# KiCad board distribution.kicad_pcb (continued)
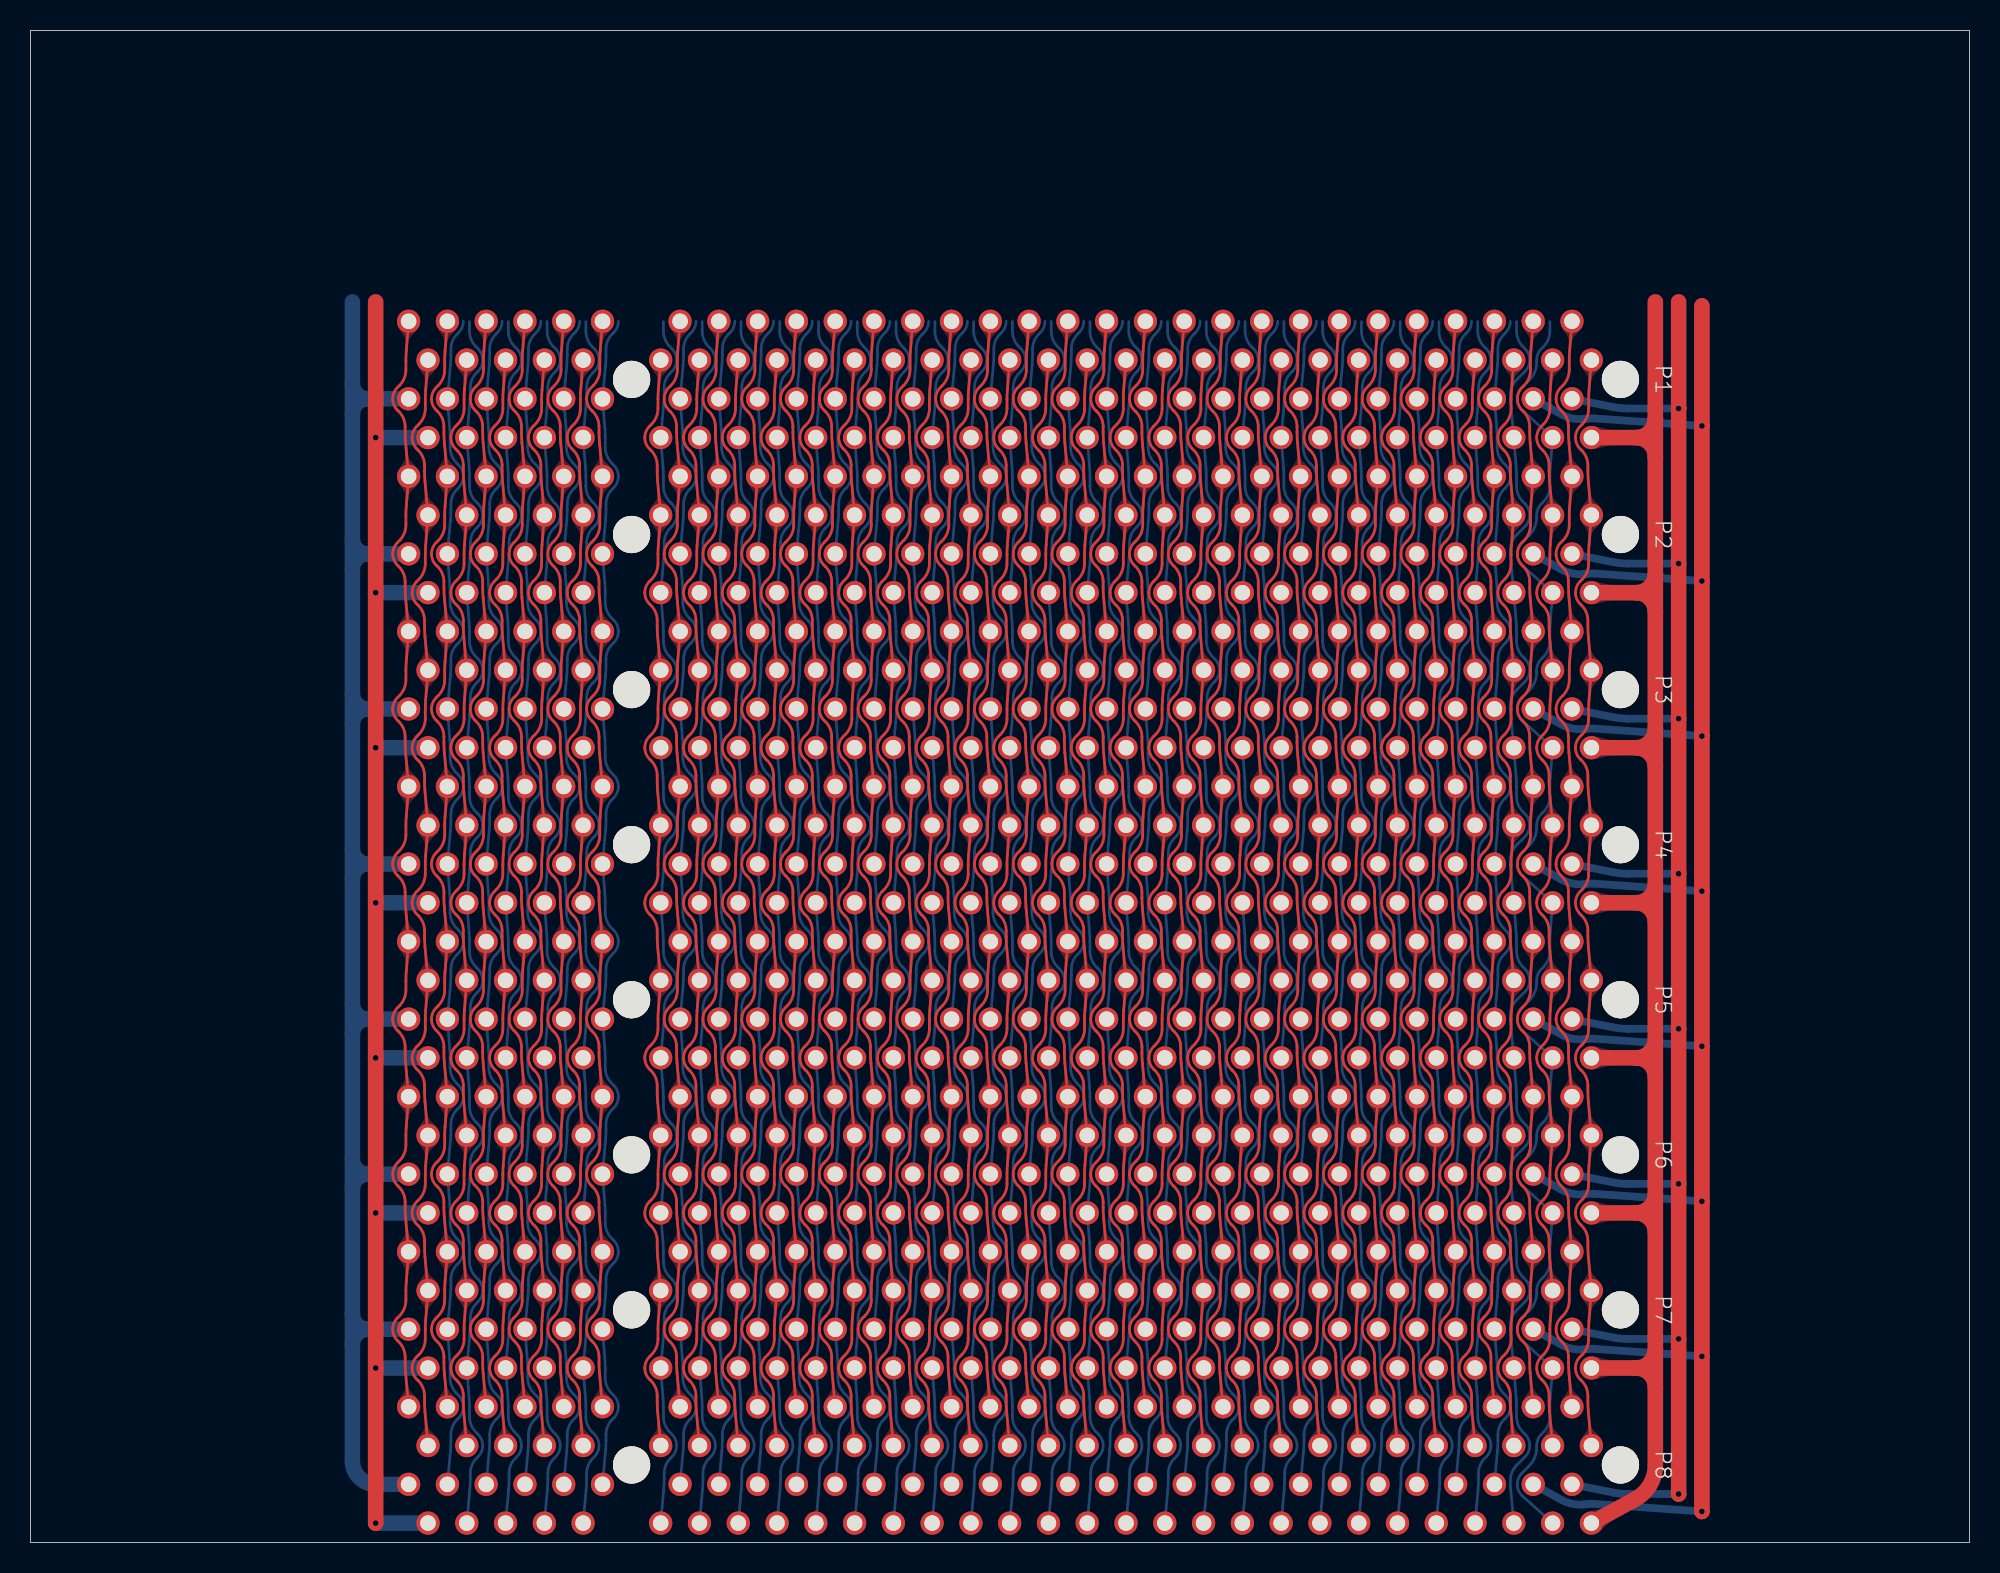
[diagram p0: board, top side]
## Routing (per net, layer and track width the routed paths; a pad name or vN(x,y) marks a point on that pad's centre or on a via; arc(x,y) is an arc through that point) (continued)
~{P1d}: length 82.7
  Bottom w0.178: 89.71,79.99 89.71,79.38 arc(89.83,78.81) 90.14,78.33 90.27,78.21 arc(90.5,77.87) 90.58,77.47 arc(90.5,77.07) 90.27,76.73 90.17,76.63 arc(89.87,76.18) 89.76,75.65 89.76,75.27 arc(89.76,74.93) 89.73,74.59 89.54,72.39 89.69,70.43 arc(89.71,70.13) 89.71,69.83 89.71,69.22 arc(89.83,68.65) 90.14,68.17 90.27,68.05 arc(90.5,67.71) 90.58,67.31 arc(90.5,66.91) 90.27,66.57 90.17,66.47 arc(89.87,66.02) 89.76,65.49 89.76,65.11 arc(89.76,64.77) 89.73,64.43 89.54,62.23 89.69,60.27 arc(89.71,59.97) 89.71,59.67 89.71,59.06 arc(89.83,58.49) 90.14,58.01 90.27,57.89 arc(90.5,57.55) 90.58,57.15 arc(90.5,56.75) 90.27,56.41 90.17,56.31 arc(89.87,55.86) 89.76,55.33 89.76,54.95 arc(89.76,54.61) 89.73,54.27 89.54,52.07 89.69,50.11 arc(89.71,49.81) 89.71,49.51 89.71,48.9 arc(89.83,48.33) 90.14,47.85 90.27,47.73 arc(90.5,47.39) 90.58,46.99 arc(90.5,46.59) 90.27,46.25 90.17,46.15 arc(89.87,45.7) 89.76,45.17 89.76,44.79 arc(89.76,44.45) 89.73,44.11 89.54,41.91 89.69,39.95 arc(89.71,39.65) 89.71,39.35 89.71,38.74 arc(89.83,38.17) 90.14,37.69 90.27,37.57 arc(90.5,37.23) 90.58,36.83 arc(90.5,36.43) 90.27,36.09 90.17,35.99 arc(89.87,35.54) 89.76,35.01 89.76,34.63 arc(89.76,34.29) 89.73,33.95 89.54,31.75 89.69,29.79 arc(89.71,29.49) 89.71,29.19 89.71,28.58 arc(89.83,28.01) 90.14,27.53 90.27,27.41 arc(90.5,27.07) 90.58,26.67 arc(90.5,26.27) 90.27,25.93 90.17,25.83 arc(89.87,25.38) 89.76,24.85 89.76,24.47 arc(89.76,24.13) 89.73,23.79 89.54,21.59 89.69,19.63 arc(89.71,19.33) 89.71,19.03 89.71,18.42 arc(89.83,17.85) 90.14,17.37 90.27,17.25 arc(90.5,16.91) 90.58,16.51 arc(90.5,16.11) 90.27,15.77 90.17,15.67 arc(89.87,15.22) 89.76,14.69 89.76,14.31 arc(89.76,13.97) 89.73,13.63 89.54,11.43 89.69,9.47 arc(89.71,9.17) 89.71,8.87 89.71,8.26 arc(89.83,7.69) 90.14,7.21 90.27,7.09 arc(90.5,6.75) 90.58,6.35 arc(90.5,5.95) 90.27,5.61 90.17,5.51 arc(89.87,5.06) 89.76,4.53 89.76,4.15 arc(89.76,3.81) 89.73,3.47 89.54,1.27
~{P1}: length 91.8
  Bottom w0.178: 99.52,79.99 99.52,79.38 arc(99.4,78.81) 99.09,78.33 98.96,78.21 arc(98.73,77.87) 98.65,77.47 98.65,77.34 arc(98.52,76.69) 98.16,76.13 97.69,75.67 arc(97.46,75.33) 97.38,74.93 arc(97.46,74.53) 97.69,74.19 99.7,72.39 99.54,70.43 arc(99.52,70.13) 99.52,69.83 99.52,69.22 arc(99.4,68.65) 99.09,68.17 98.96,68.05 arc(98.73,67.71) 98.65,67.31 98.65,67.18 arc(98.52,66.53) 98.16,65.97 97.69,65.51 arc(97.46,65.17) 97.38,64.77 arc(97.46,64.37) 97.69,64.03 99.7,62.23 99.54,60.27 arc(99.52,59.97) 99.52,59.67 99.52,59.06 arc(99.4,58.49) 99.09,58.01 98.96,57.89 arc(98.73,57.55) 98.65,57.15 98.65,57.02 arc(98.52,56.37) 98.16,55.81 97.69,55.35 arc(97.46,55.01) 97.38,54.61 arc(97.46,54.21) 97.69,53.87 99.7,52.07 99.54,50.11 arc(99.52,49.81) 99.52,49.51 99.52,48.9 arc(99.4,48.33) 99.09,47.85 98.96,47.73 arc(98.73,47.39) 98.65,46.99 98.65,46.86 arc(98.52,46.21) 98.16,45.65 97.69,45.19 arc(97.46,44.85) 97.38,44.45 arc(97.46,44.05) 97.69,43.71 99.7,41.91 99.54,39.95 arc(99.52,39.65) 99.52,39.35 99.52,38.74 arc(99.4,38.17) 99.09,37.69 98.96,37.57 arc(98.73,37.23) 98.65,36.83 98.65,36.7 arc(98.52,36.05) 98.16,35.49 97.69,35.03 arc(97.46,34.69) 97.38,34.29 arc(97.46,33.89) 97.69,33.55 99.7,31.75 99.54,29.79 arc(99.52,29.49) 99.52,29.19 99.52,28.58 arc(99.4,28.01) 99.09,27.53 98.96,27.41 arc(98.73,27.07) 98.65,26.67 98.65,26.54 arc(98.52,25.89) 98.16,25.33 97.69,24.87 arc(97.46,24.53) 97.38,24.13 arc(97.46,23.73) 97.69,23.39 99.7,21.59 99.54,19.63 arc(99.52,19.33) 99.52,19.03 99.52,18.42 arc(99.4,17.85) 99.09,17.37 98.96,17.25 arc(98.73,16.91) 98.65,16.51 98.65,16.38 arc(98.52,15.73) 98.16,15.17 97.69,14.71 arc(97.46,14.37) 97.38,13.97 arc(97.46,13.57) 97.69,13.23 99.7,11.43 99.54,9.47 arc(99.52,9.17) 99.52,8.87 99.52,8.26 arc(99.4,7.69) 99.09,7.21 98.96,7.09 arc(98.73,6.75) 98.65,6.35 98.65,6.22 arc(98.52,5.57) 98.16,5.01 97.69,4.55 arc(97.46,4.21) 97.38,3.81 arc(97.46,3.41) 97.69,3.07 99.7,1.27
~{P2c}: length 79.9
  Bottom w0.178: P8.A12 88.46,6.01 arc(88.49,6.35) 88.49,6.69 88.49,7.07 arc(88.6,7.6) 88.9,8.05 89,8.15 arc(89.23,8.49) 89.31,8.89 arc(89.23,9.29) 89,9.63 88.87,9.75 arc(88.56,10.23) 88.44,10.8 88.44,11.41 arc(88.44,11.71) 88.42,12.01 P7.A12 88.46,16.17 arc(88.49,16.51) 88.49,16.85 88.49,17.23 arc(88.6,17.76) 88.9,18.21 89,18.31 arc(89.23,18.65) 89.31,19.05 arc(89.23,19.45) 89,19.79 88.87,19.91 arc(88.56,20.39) 88.44,20.96 88.44,21.57 arc(88.44,21.87) 88.42,22.17 P6.A12 88.46,26.33 arc(88.49,26.67) 88.49,27.01 88.49,27.39 arc(88.6,27.92) 88.9,28.37 89,28.47 arc(89.23,28.81) 89.31,29.21 arc(89.23,29.61) 89,29.95 88.87,30.07 arc(88.56,30.55) 88.44,31.12 88.44,31.73 arc(88.44,32.03) 88.42,32.33 P5.A12 88.46,36.49 arc(88.49,36.83) 88.49,37.17 88.49,37.55 arc(88.6,38.08) 88.9,38.53 89,38.63 arc(89.23,38.97) 89.31,39.37 arc(89.23,39.77) 89,40.11 88.87,40.23 arc(88.56,40.71) 88.44,41.28 88.44,41.89 arc(88.44,42.19) 88.42,42.49 P4.A12 88.46,46.65 arc(88.49,46.99) 88.49,47.33 88.49,47.71 arc(88.6,48.24) 88.9,48.69 89,48.79 arc(89.23,49.13) 89.31,49.53 arc(89.23,49.93) 89,50.27 88.87,50.39 arc(88.56,50.87) 88.44,51.44 88.44,52.05 arc(88.44,52.35) 88.42,52.65 P3.A12 88.46,56.81 arc(88.49,57.15) 88.49,57.49 88.49,57.87 arc(88.6,58.4) 88.9,58.85 89,58.95 arc(89.23,59.29) 89.31,59.69 arc(89.23,60.09) 89,60.43 88.87,60.55 arc(88.56,61.03) 88.44,61.6 88.44,62.21 arc(88.44,62.51) 88.42,62.81 P2.A12 88.46,66.97 arc(88.49,67.31) 88.49,67.65 88.49,68.03 arc(88.6,68.56) 88.9,69.01 89,69.11 arc(89.23,69.45) 89.31,69.85 arc(89.23,70.25) 89,70.59 88.87,70.71 arc(88.56,71.19) 88.44,71.76 88.44,72.37 arc(88.44,72.67) 88.42,72.97 P1.A12 88.46,77.13 arc(88.49,77.47) 88.49,77.81 88.49,78.19 arc(88.6,78.72) 88.9,79.17 89,79.27 arc(89.23,79.61) 89.31,80.01
~{P2d}: length 82.7
  Bottom w0.178: 87.17,79.99 87.17,79.38 arc(87.29,78.81) 87.6,78.33 87.73,78.21 arc(87.96,77.87) 88.04,77.47 arc(87.96,77.07) 87.73,76.73 87.63,76.63 arc(87.33,76.18) 87.22,75.65 87.22,75.27 arc(87.22,74.93) 87.19,74.59 P1.A13 87.15,70.43 arc(87.17,70.13) 87.17,69.83 87.17,69.22 arc(87.29,68.65) 87.6,68.17 87.73,68.05 arc(87.96,67.71) 88.04,67.31 arc(87.96,66.91) 87.73,66.57 87.63,66.47 arc(87.33,66.02) 87.22,65.49 87.22,65.11 arc(87.22,64.77) 87.19,64.43 P2.A13 87.15,60.27 arc(87.17,59.97) 87.17,59.67 87.17,59.06 arc(87.29,58.49) 87.6,58.01 87.73,57.89 arc(87.96,57.55) 88.04,57.15 arc(87.96,56.75) 87.73,56.41 87.63,56.31 arc(87.33,55.86) 87.22,55.33 87.22,54.95 arc(87.22,54.61) 87.19,54.27 P3.A13 87.15,50.11 arc(87.17,49.81) 87.17,49.51 87.17,48.9 arc(87.29,48.33) 87.6,47.85 87.73,47.73 arc(87.96,47.39) 88.04,46.99 arc(87.96,46.59) 87.73,46.25 87.63,46.15 arc(87.33,45.7) 87.22,45.17 87.22,44.79 arc(87.22,44.45) 87.19,44.11 P4.A13 87.15,39.95 arc(87.17,39.65) 87.17,39.35 87.17,38.74 arc(87.29,38.17) 87.6,37.69 87.73,37.57 arc(87.96,37.23) 88.04,36.83 arc(87.96,36.43) 87.73,36.09 87.63,35.99 arc(87.33,35.54) 87.22,35.01 87.22,34.63 arc(87.22,34.29) 87.19,33.95 P5.A13 87.15,29.79 arc(87.17,29.49) 87.17,29.19 87.17,28.58 arc(87.29,28.01) 87.6,27.53 87.73,27.41 arc(87.96,27.07) 88.04,26.67 arc(87.96,26.27) 87.73,25.93 87.63,25.83 arc(87.33,25.38) 87.22,24.85 87.22,24.47 arc(87.22,24.13) 87.19,23.79 P6.A13 87.15,19.63 arc(87.17,19.33) 87.17,19.03 87.17,18.42 arc(87.29,17.85) 87.6,17.37 87.73,17.25 arc(87.96,16.91) 88.04,16.51 arc(87.96,16.11) 87.73,15.77 87.63,15.67 arc(87.33,15.22) 87.22,14.69 87.22,14.31 arc(87.22,13.97) 87.19,13.63 P7.A13 87.15,9.47 arc(87.17,9.17) 87.17,8.87 87.17,8.26 arc(87.29,7.69) 87.6,7.21 87.73,7.09 arc(87.96,6.75) 88.04,6.35 arc(87.96,5.95) 87.73,5.61 87.63,5.51 arc(87.33,5.06) 87.22,4.53 87.22,4.15 arc(87.22,3.81) 87.19,3.47 P8.A13
~{P2}: length 79.9
  Bottom w0.178: P8.A48 42.74,6.01 arc(42.77,6.35) 42.77,6.69 42.77,7.07 arc(42.88,7.6) 43.18,8.05 43.28,8.15 arc(43.51,8.49) 43.59,8.89 arc(43.51,9.29) 43.28,9.63 43.15,9.75 arc(42.84,10.23) 42.72,10.8 42.72,11.41 arc(42.72,11.71) 42.7,12.01 P7.A48 42.74,16.17 arc(42.77,16.51) 42.77,16.85 42.77,17.23 arc(42.88,17.76) 43.18,18.21 43.28,18.31 arc(43.51,18.65) 43.59,19.05 arc(43.51,19.45) 43.28,19.79 43.15,19.91 arc(42.84,20.39) 42.72,20.96 42.72,21.57 arc(42.72,21.87) 42.7,22.17 P6.A48 42.74,26.33 arc(42.77,26.67) 42.77,27.01 42.77,27.39 arc(42.88,27.92) 43.18,28.37 43.28,28.47 arc(43.51,28.81) 43.59,29.21 arc(43.51,29.61) 43.28,29.95 43.15,30.07 arc(42.84,30.55) 42.72,31.12 42.72,31.73 arc(42.72,32.03) 42.7,32.33 P5.A48 42.74,36.49 arc(42.77,36.83) 42.77,37.17 42.77,37.55 arc(42.88,38.08) 43.18,38.53 43.28,38.63 arc(43.51,38.97) 43.59,39.37 arc(43.51,39.77) 43.28,40.11 43.15,40.23 arc(42.84,40.71) 42.72,41.28 42.72,41.89 arc(42.72,42.19) 42.7,42.49 P4.A48 42.74,46.65 arc(42.77,46.99) 42.77,47.33 42.77,47.71 arc(42.88,48.24) 43.18,48.69 43.28,48.79 arc(43.51,49.13) 43.59,49.53 arc(43.51,49.93) 43.28,50.27 43.15,50.39 arc(42.84,50.87) 42.72,51.44 42.72,52.05 arc(42.72,52.35) 42.7,52.65 P3.A48 42.74,56.81 arc(42.77,57.15) 42.77,57.49 42.77,57.87 arc(42.88,58.4) 43.18,58.85 43.28,58.95 arc(43.51,59.29) 43.59,59.69 arc(43.51,60.09) 43.28,60.43 43.15,60.55 arc(42.84,61.03) 42.72,61.6 42.72,62.21 arc(42.72,62.51) 42.7,62.81 P2.A48 42.74,66.97 arc(42.77,67.31) 42.77,67.65 42.77,68.03 arc(42.88,68.56) 43.18,69.01 43.28,69.11 arc(43.51,69.45) 43.59,69.85 arc(43.51,70.25) 43.28,70.59 43.15,70.71 arc(42.84,71.19) 42.72,71.76 42.72,72.37 arc(42.72,72.67) 42.7,72.97 P1.A48 42.74,77.13 arc(42.77,77.47) 42.77,77.81 42.77,78.19 arc(42.88,78.72) 43.18,79.17 43.28,79.27 arc(43.51,79.61) 43.59,80.01
~{P3c}: length 79.9
  Bottom w0.178: P8.A14 85.92,6.01 arc(85.95,6.35) 85.95,6.69 85.95,7.07 arc(86.06,7.6) 86.36,8.05 86.46,8.15 arc(86.69,8.49) 86.77,8.89 arc(86.69,9.29) 86.46,9.63 86.33,9.75 arc(86.02,10.23) 85.9,10.8 85.9,11.41 arc(85.9,11.71) 85.88,12.01 P7.A14 85.92,16.17 arc(85.95,16.51) 85.95,16.85 85.95,17.23 arc(86.06,17.76) 86.36,18.21 86.46,18.31 arc(86.69,18.65) 86.77,19.05 arc(86.69,19.45) 86.46,19.79 86.33,19.91 arc(86.02,20.39) 85.9,20.96 85.9,21.57 arc(85.9,21.87) 85.88,22.17 P6.A14 85.92,26.33 arc(85.95,26.67) 85.95,27.01 85.95,27.39 arc(86.06,27.92) 86.36,28.37 86.46,28.47 arc(86.69,28.81) 86.77,29.21 arc(86.69,29.61) 86.46,29.95 86.33,30.07 arc(86.02,30.55) 85.9,31.12 85.9,31.73 arc(85.9,32.03) 85.88,32.33 P5.A14 85.92,36.49 arc(85.95,36.83) 85.95,37.17 85.95,37.55 arc(86.06,38.08) 86.36,38.53 86.46,38.63 arc(86.69,38.97) 86.77,39.37 arc(86.69,39.77) 86.46,40.11 86.33,40.23 arc(86.02,40.71) 85.9,41.28 85.9,41.89 arc(85.9,42.19) 85.88,42.49 P4.A14 85.92,46.65 arc(85.95,46.99) 85.95,47.33 85.95,47.71 arc(86.06,48.24) 86.36,48.69 86.46,48.79 arc(86.69,49.13) 86.77,49.53 arc(86.69,49.93) 86.46,50.27 86.33,50.39 arc(86.02,50.87) 85.9,51.44 85.9,52.05 arc(85.9,52.35) 85.88,52.65 P3.A14 85.92,56.81 arc(85.95,57.15) 85.95,57.49 85.95,57.87 arc(86.06,58.4) 86.36,58.85 86.46,58.95 arc(86.69,59.29) 86.77,59.69 arc(86.69,60.09) 86.46,60.43 86.33,60.55 arc(86.02,61.03) 85.9,61.6 85.9,62.21 arc(85.9,62.51) 85.88,62.81 P2.A14 85.92,66.97 arc(85.95,67.31) 85.95,67.65 85.95,68.03 arc(86.06,68.56) 86.36,69.01 86.46,69.11 arc(86.69,69.45) 86.77,69.85 arc(86.69,70.25) 86.46,70.59 86.33,70.71 arc(86.02,71.19) 85.9,71.76 85.9,72.37 arc(85.9,72.67) 85.88,72.97 P1.A14 85.92,77.13 arc(85.95,77.47) 85.95,77.81 85.95,78.19 arc(86.06,78.72) 86.36,79.17 86.46,79.27 arc(86.69,79.61) 86.77,80.01
~{P3d}: length 82.7
  Bottom w0.178: 84.63,79.99 84.63,79.38 arc(84.75,78.81) 85.06,78.33 85.19,78.21 arc(85.42,77.87) 85.5,77.47 arc(85.42,77.07) 85.19,76.73 85.09,76.63 arc(84.79,76.18) 84.68,75.65 84.68,75.27 arc(84.68,74.93) 84.65,74.59 84.45,72.39 84.61,70.43 arc(84.63,70.13) 84.63,69.83 84.63,69.22 arc(84.75,68.65) 85.06,68.17 85.19,68.05 arc(85.42,67.71) 85.5,67.31 arc(85.42,66.91) 85.19,66.57 85.09,66.47 arc(84.79,66.02) 84.68,65.49 84.68,65.11 arc(84.68,64.77) 84.65,64.43 84.45,62.23 84.61,60.27 arc(84.63,59.97) 84.63,59.67 84.63,59.06 arc(84.75,58.49) 85.06,58.01 85.19,57.89 arc(85.42,57.55) 85.5,57.15 arc(85.42,56.75) 85.19,56.41 85.09,56.31 arc(84.79,55.86) 84.68,55.33 84.68,54.95 arc(84.68,54.61) 84.65,54.27 84.45,52.07 84.61,50.11 arc(84.63,49.81) 84.63,49.51 84.63,48.9 arc(84.75,48.33) 85.06,47.85 85.19,47.73 arc(85.42,47.39) 85.5,46.99 arc(85.42,46.59) 85.19,46.25 85.09,46.15 arc(84.79,45.7) 84.68,45.17 84.68,44.79 arc(84.68,44.45) 84.65,44.11 84.45,41.91 84.61,39.95 arc(84.63,39.65) 84.63,39.35 84.63,38.74 arc(84.75,38.17) 85.06,37.69 85.19,37.57 arc(85.42,37.23) 85.5,36.83 arc(85.42,36.43) 85.19,36.09 85.09,35.99 arc(84.79,35.54) 84.68,35.01 84.68,34.63 arc(84.68,34.29) 84.65,33.95 84.45,31.75 84.61,29.79 arc(84.63,29.49) 84.63,29.19 84.63,28.58 arc(84.75,28.01) 85.06,27.53 85.19,27.41 arc(85.42,27.07) 85.5,26.67 arc(85.42,26.27) 85.19,25.93 85.09,25.83 arc(84.79,25.38) 84.68,24.85 84.68,24.47 arc(84.68,24.13) 84.65,23.79 84.45,21.59 84.61,19.63 arc(84.63,19.33) 84.63,19.03 84.63,18.42 arc(84.75,17.85) 85.06,17.37 85.19,17.25 arc(85.42,16.91) 85.5,16.51 arc(85.42,16.11) 85.19,15.77 85.09,15.67 arc(84.79,15.22) 84.68,14.69 84.68,14.31 arc(84.68,13.97) 84.65,13.63 84.45,11.43 84.61,9.47 arc(84.63,9.17) 84.63,8.87 84.63,8.26 arc(84.75,7.69) 85.06,7.21 85.19,7.09 arc(85.42,6.75) 85.5,6.35 arc(85.42,5.95) 85.19,5.61 85.09,5.51 arc(84.79,5.06) 84.68,4.53 84.68,4.15 arc(84.68,3.81) 84.65,3.47 84.45,1.27
~{P3}: length 82.7
  Bottom w0.178: P8.A49 41.47,3.47 arc(41.5,3.81) 41.5,4.15 41.5,4.53 arc(41.61,5.06) 41.91,5.51 42.01,5.61 arc(42.24,5.95) 42.32,6.35 arc(42.24,6.75) 42.01,7.09 41.88,7.21 arc(41.57,7.69) 41.45,8.26 41.45,8.87 arc(41.45,9.17) 41.43,9.47 P7.A49 41.47,13.63 arc(41.5,13.97) 41.5,14.31 41.5,14.69 arc(41.61,15.22) 41.91,15.67 42.01,15.77 arc(42.24,16.11) 42.32,16.51 arc(42.24,16.91) 42.01,17.25 41.88,17.37 arc(41.57,17.85) 41.45,18.42 41.45,19.03 arc(41.45,19.33) 41.43,19.63 P6.A49 41.47,23.79 arc(41.5,24.13) 41.5,24.47 41.5,24.85 arc(41.61,25.38) 41.91,25.83 42.01,25.93 arc(42.24,26.27) 42.32,26.67 arc(42.24,27.07) 42.01,27.41 41.88,27.53 arc(41.57,28.01) 41.45,28.58 41.45,29.19 arc(41.45,29.49) 41.43,29.79 P5.A49 41.47,33.95 arc(41.5,34.29) 41.5,34.63 41.5,35.01 arc(41.61,35.54) 41.91,35.99 42.01,36.09 arc(42.24,36.43) 42.32,36.83 arc(42.24,37.23) 42.01,37.57 41.88,37.69 arc(41.57,38.17) 41.45,38.74 41.45,39.35 arc(41.45,39.65) 41.43,39.95 P4.A49 41.47,44.11 arc(41.5,44.45) 41.5,44.79 41.5,45.17 arc(41.61,45.7) 41.91,46.15 42.01,46.25 arc(42.24,46.59) 42.32,46.99 arc(42.24,47.39) 42.01,47.73 41.88,47.85 arc(41.57,48.33) 41.45,48.9 41.45,49.51 arc(41.45,49.81) 41.43,50.11 P3.A49 41.47,54.27 arc(41.5,54.61) 41.5,54.95 41.5,55.33 arc(41.61,55.86) 41.91,56.31 42.01,56.41 arc(42.24,56.75) 42.32,57.15 arc(42.24,57.55) 42.01,57.89 41.88,58.01 arc(41.57,58.49) 41.45,59.06 41.45,59.67 arc(41.45,59.97) 41.43,60.27 P2.A49 41.47,64.43 arc(41.5,64.77) 41.5,65.11 41.5,65.49 arc(41.61,66.02) 41.91,66.47 42.01,66.57 arc(42.24,66.91) 42.32,67.31 arc(42.24,67.71) 42.01,68.05 41.88,68.17 arc(41.57,68.65) 41.45,69.22 41.45,69.83 arc(41.45,70.13) 41.43,70.43 P1.A49 41.47,74.59 arc(41.5,74.93) 41.5,75.27 41.5,75.65 arc(41.61,76.18) 41.91,76.63 42.01,76.73 arc(42.24,77.07) 42.32,77.47 arc(42.24,77.87) 42.01,78.21 41.88,78.33 arc(41.57,78.81) 41.45,79.38 41.45,79.99
~{P4c}: length 79.9
  Bottom w0.178: P8.A16 83.38,6.01 arc(83.41,6.35) 83.41,6.69 83.41,7.07 arc(83.52,7.6) 83.82,8.05 83.92,8.15 arc(84.15,8.49) 84.23,8.89 arc(84.15,9.29) 83.92,9.63 83.79,9.75 arc(83.48,10.23) 83.36,10.8 83.36,11.41 arc(83.36,11.71) 83.34,12.01 P7.A16 83.38,16.17 arc(83.41,16.51) 83.41,16.85 83.41,17.23 arc(83.52,17.76) 83.82,18.21 83.92,18.31 arc(84.15,18.65) 84.23,19.05 arc(84.15,19.45) 83.92,19.79 83.79,19.91 arc(83.48,20.39) 83.36,20.96 83.36,21.57 arc(83.36,21.87) 83.34,22.17 P6.A16 83.38,26.33 arc(83.41,26.67) 83.41,27.01 83.41,27.39 arc(83.52,27.92) 83.82,28.37 83.92,28.47 arc(84.15,28.81) 84.23,29.21 arc(84.15,29.61) 83.92,29.95 83.79,30.07 arc(83.48,30.55) 83.36,31.12 83.36,31.73 arc(83.36,32.03) 83.34,32.33 P5.A16 83.38,36.49 arc(83.41,36.83) 83.41,37.17 83.41,37.55 arc(83.52,38.08) 83.82,38.53 83.92,38.63 arc(84.15,38.97) 84.23,39.37 arc(84.15,39.77) 83.92,40.11 83.79,40.23 arc(83.48,40.71) 83.36,41.28 83.36,41.89 arc(83.36,42.19) 83.34,42.49 P4.A16 83.38,46.65 arc(83.41,46.99) 83.41,47.33 83.41,47.71 arc(83.52,48.24) 83.82,48.69 83.92,48.79 arc(84.15,49.13) 84.23,49.53 arc(84.15,49.93) 83.92,50.27 83.79,50.39 arc(83.48,50.87) 83.36,51.44 83.36,52.05 arc(83.36,52.35) 83.34,52.65 P3.A16 83.38,56.81 arc(83.41,57.15) 83.41,57.49 83.41,57.87 arc(83.52,58.4) 83.82,58.85 83.92,58.95 arc(84.15,59.29) 84.23,59.69 arc(84.15,60.09) 83.92,60.43 83.79,60.55 arc(83.48,61.03) 83.36,61.6 83.36,62.21 arc(83.36,62.51) 83.34,62.81 P2.A16 83.38,66.97 arc(83.41,67.31) 83.41,67.65 83.41,68.03 arc(83.52,68.56) 83.82,69.01 83.92,69.11 arc(84.15,69.45) 84.23,69.85 arc(84.15,70.25) 83.92,70.59 83.79,70.71 arc(83.48,71.19) 83.36,71.76 83.36,72.37 arc(83.36,72.67) 83.34,72.97 P1.A16 83.38,77.13 arc(83.41,77.47) 83.41,77.81 83.41,78.19 arc(83.52,78.72) 83.82,79.17 83.92,79.27 arc(84.15,79.61) 84.23,80.01
~{P4d}: length 82.7
  Bottom w0.178: 82.09,79.99 82.09,79.38 arc(82.21,78.81) 82.52,78.33 82.65,78.21 arc(82.88,77.87) 82.96,77.47 arc(82.88,77.07) 82.65,76.73 82.55,76.63 arc(82.25,76.18) 82.14,75.65 82.14,75.27 arc(82.14,74.93) 82.11,74.59 81.92,72.39 82.07,70.43 arc(82.09,70.13) 82.09,69.83 82.09,69.22 arc(82.21,68.65) 82.52,68.17 82.65,68.05 arc(82.88,67.71) 82.96,67.31 arc(82.88,66.91) 82.65,66.57 82.55,66.47 arc(82.25,66.02) 82.14,65.49 82.14,65.11 arc(82.14,64.77) 82.11,64.43 81.92,62.23 82.07,60.27 arc(82.09,59.97) 82.09,59.67 82.09,59.06 arc(82.21,58.49) 82.52,58.01 82.65,57.89 arc(82.88,57.55) 82.96,57.15 arc(82.88,56.75) 82.65,56.41 82.55,56.31 arc(82.25,55.86) 82.14,55.33 82.14,54.95 arc(82.14,54.61) 82.11,54.27 81.92,52.07 82.07,50.11 arc(82.09,49.81) 82.09,49.51 82.09,48.9 arc(82.21,48.33) 82.52,47.85 82.65,47.73 arc(82.88,47.39) 82.96,46.99 arc(82.88,46.59) 82.65,46.25 82.55,46.15 arc(82.25,45.7) 82.14,45.17 82.14,44.79 arc(82.14,44.45) 82.11,44.11 81.92,41.91 82.07,39.95 arc(82.09,39.65) 82.09,39.35 82.09,38.74 arc(82.21,38.17) 82.52,37.69 82.65,37.57 arc(82.88,37.23) 82.96,36.83 arc(82.88,36.43) 82.65,36.09 82.55,35.99 arc(82.25,35.54) 82.14,35.01 82.14,34.63 arc(82.14,34.29) 82.11,33.95 81.92,31.75 82.07,29.79 arc(82.09,29.49) 82.09,29.19 82.09,28.58 arc(82.21,28.01) 82.52,27.53 82.65,27.41 arc(82.88,27.07) 82.96,26.67 arc(82.88,26.27) 82.65,25.93 82.55,25.83 arc(82.25,25.38) 82.14,24.85 82.14,24.47 arc(82.14,24.13) 82.11,23.79 81.92,21.59 82.07,19.63 arc(82.09,19.33) 82.09,19.03 82.09,18.42 arc(82.21,17.85) 82.52,17.37 82.65,17.25 arc(82.88,16.91) 82.96,16.51 arc(82.88,16.11) 82.65,15.77 82.55,15.67 arc(82.25,15.22) 82.14,14.69 82.14,14.31 arc(82.14,13.97) 82.11,13.63 81.92,11.43 82.07,9.47 arc(82.09,9.17) 82.09,8.87 82.09,8.26 arc(82.21,7.69) 82.52,7.21 82.65,7.09 arc(82.88,6.75) 82.96,6.35 arc(82.88,5.95) 82.65,5.61 82.55,5.51 arc(82.25,5.06) 82.14,4.53 82.14,4.15 arc(82.14,3.81) 82.11,3.47 81.92,1.27
~{P4}: length 79.9
  Bottom w0.178: P8.A52 37.66,6.01 arc(37.69,6.35) 37.69,6.69 37.69,7.07 arc(37.8,7.6) 38.1,8.05 38.2,8.15 arc(38.43,8.49) 38.51,8.89 arc(38.43,9.29) 38.2,9.63 38.07,9.75 arc(37.76,10.23) 37.64,10.8 37.64,11.41 arc(37.64,11.71) 37.62,12.01 P7.A52 37.66,16.17 arc(37.69,16.51) 37.69,16.85 37.69,17.23 arc(37.8,17.76) 38.1,18.21 38.2,18.31 arc(38.43,18.65) 38.51,19.05 arc(38.43,19.45) 38.2,19.79 38.07,19.91 arc(37.76,20.39) 37.64,20.96 37.64,21.57 arc(37.64,21.87) 37.62,22.17 P6.A52 37.66,26.33 arc(37.69,26.67) 37.69,27.01 37.69,27.39 arc(37.8,27.92) 38.1,28.37 38.2,28.47 arc(38.43,28.81) 38.51,29.21 arc(38.43,29.61) 38.2,29.95 38.07,30.07 arc(37.76,30.55) 37.64,31.12 37.64,31.73 arc(37.64,32.03) 37.62,32.33 P5.A52 37.66,36.49 arc(37.69,36.83) 37.69,37.17 37.69,37.55 arc(37.8,38.08) 38.1,38.53 38.2,38.63 arc(38.43,38.97) 38.51,39.37 arc(38.43,39.77) 38.2,40.11 38.07,40.23 arc(37.76,40.71) 37.64,41.28 37.64,41.89 arc(37.64,42.19) 37.62,42.49 P4.A52 37.66,46.65 arc(37.69,46.99) 37.69,47.33 37.69,47.71 arc(37.8,48.24) 38.1,48.69 38.2,48.79 arc(38.43,49.13) 38.51,49.53 arc(38.43,49.93) 38.2,50.27 38.07,50.39 arc(37.76,50.87) 37.64,51.44 37.64,52.05 arc(37.64,52.35) 37.62,52.65 P3.A52 37.66,56.81 arc(37.69,57.15) 37.69,57.49 37.69,57.87 arc(37.8,58.4) 38.1,58.85 38.2,58.95 arc(38.43,59.29) 38.51,59.69 arc(38.43,60.09) 38.2,60.43 38.07,60.55 arc(37.76,61.03) 37.64,61.6 37.64,62.21 arc(37.64,62.51) 37.62,62.81 P2.A52 37.66,66.97 arc(37.69,67.31) 37.69,67.65 37.69,68.03 arc(37.8,68.56) 38.1,69.01 38.2,69.11 arc(38.43,69.45) 38.51,69.85 arc(38.43,70.25) 38.2,70.59 38.07,70.71 arc(37.76,71.19) 37.64,71.76 37.64,72.37 arc(37.64,72.67) 37.62,72.97 P1.A52 37.66,77.13 arc(37.69,77.47) 37.69,77.81 37.69,78.19 arc(37.8,78.72) 38.1,79.17 38.2,79.27 arc(38.43,79.61) 38.51,80.01
~{P5c}: length 79.9
  Bottom w0.178: P8.A20 78.3,6.01 arc(78.33,6.35) 78.33,6.69 78.33,7.07 arc(78.44,7.6) 78.74,8.05 78.84,8.15 arc(79.07,8.49) 79.15,8.89 arc(79.07,9.29) 78.84,9.63 78.71,9.75 arc(78.4,10.23) 78.28,10.8 78.28,11.41 arc(78.28,11.71) 78.26,12.01 P7.A20 78.3,16.17 arc(78.33,16.51) 78.33,16.85 78.33,17.23 arc(78.44,17.76) 78.74,18.21 78.84,18.31 arc(79.07,18.65) 79.15,19.05 arc(79.07,19.45) 78.84,19.79 78.71,19.91 arc(78.4,20.39) 78.28,20.96 78.28,21.57 arc(78.28,21.87) 78.26,22.17 P6.A20 78.3,26.33 arc(78.33,26.67) 78.33,27.01 78.33,27.39 arc(78.44,27.92) 78.74,28.37 78.84,28.47 arc(79.07,28.81) 79.15,29.21 arc(79.07,29.61) 78.84,29.95 78.71,30.07 arc(78.4,30.55) 78.28,31.12 78.28,31.73 arc(78.28,32.03) 78.26,32.33 P5.A20 78.3,36.49 arc(78.33,36.83) 78.33,37.17 78.33,37.55 arc(78.44,38.08) 78.74,38.53 78.84,38.63 arc(79.07,38.97) 79.15,39.37 arc(79.07,39.77) 78.84,40.11 78.71,40.23 arc(78.4,40.71) 78.28,41.28 78.28,41.89 arc(78.28,42.19) 78.26,42.49 P4.A20 78.3,46.65 arc(78.33,46.99) 78.33,47.33 78.33,47.71 arc(78.44,48.24) 78.74,48.69 78.84,48.79 arc(79.07,49.13) 79.15,49.53 arc(79.07,49.93) 78.84,50.27 78.71,50.39 arc(78.4,50.87) 78.28,51.44 78.28,52.05 arc(78.28,52.35) 78.26,52.65 P3.A20 78.3,56.81 arc(78.33,57.15) 78.33,57.49 78.33,57.87 arc(78.44,58.4) 78.74,58.85 78.84,58.95 arc(79.07,59.29) 79.15,59.69 arc(79.07,60.09) 78.84,60.43 78.71,60.55 arc(78.4,61.03) 78.28,61.6 78.28,62.21 arc(78.28,62.51) 78.26,62.81 P2.A20 78.3,66.97 arc(78.33,67.31) 78.33,67.65 78.33,68.03 arc(78.44,68.56) 78.74,69.01 78.84,69.11 arc(79.07,69.45) 79.15,69.85 arc(79.07,70.25) 78.84,70.59 78.71,70.71 arc(78.4,71.19) 78.28,71.76 78.28,72.37 arc(78.28,72.67) 78.26,72.97 P1.A20 78.3,77.13 arc(78.33,77.47) 78.33,77.81 78.33,78.19 arc(78.44,78.72) 78.74,79.17 78.84,79.27 arc(79.07,79.61) 79.15,80.01
~{P5d}: length 82.7
  Bottom w0.178: 74.3,1.27 74.49,3.47 arc(74.52,3.81) 74.52,4.15 74.52,4.53 arc(74.63,5.06) 74.93,5.51 75.03,5.61 arc(75.26,5.95) 75.34,6.35 arc(75.26,6.75) 75.03,7.09 74.9,7.21 arc(74.59,7.69) 74.47,8.26 74.47,8.87 arc(74.47,9.17) 74.45,9.47 74.3,11.43 74.49,13.63 arc(74.52,13.97) 74.52,14.31 74.52,14.69 arc(74.63,15.22) 74.93,15.67 75.03,15.77 arc(75.26,16.11) 75.34,16.51 arc(75.26,16.91) 75.03,17.25 74.9,17.37 arc(74.59,17.85) 74.47,18.42 74.47,19.03 arc(74.47,19.33) 74.45,19.63 74.3,21.59 74.49,23.79 arc(74.52,24.13) 74.52,24.47 74.52,24.85 arc(74.63,25.38) 74.93,25.83 75.03,25.93 arc(75.26,26.27) 75.34,26.67 arc(75.26,27.07) 75.03,27.41 74.9,27.53 arc(74.59,28.01) 74.47,28.58 74.47,29.19 arc(74.47,29.49) 74.45,29.79 74.3,31.75 74.49,33.95 arc(74.52,34.29) 74.52,34.63 74.52,35.01 arc(74.63,35.54) 74.93,35.99 75.03,36.09 arc(75.26,36.43) 75.34,36.83 arc(75.26,37.23) 75.03,37.57 74.9,37.69 arc(74.59,38.17) 74.47,38.74 74.47,39.35 arc(74.47,39.65) 74.45,39.95 74.3,41.91 74.49,44.11 arc(74.52,44.45) 74.52,44.79 74.52,45.17 arc(74.63,45.7) 74.93,46.15 75.03,46.25 arc(75.26,46.59) 75.34,46.99 arc(75.26,47.39) 75.03,47.73 74.9,47.85 arc(74.59,48.33) 74.47,48.9 74.47,49.51 arc(74.47,49.81) 74.45,50.11 74.3,52.07 74.49,54.27 arc(74.52,54.61) 74.52,54.95 74.52,55.33 arc(74.63,55.86) 74.93,56.31 75.03,56.41 arc(75.26,56.75) 75.34,57.15 arc(75.26,57.55) 75.03,57.89 74.9,58.01 arc(74.59,58.49) 74.47,59.06 74.47,59.67 arc(74.47,59.97) 74.45,60.27 74.3,62.23 74.49,64.43 arc(74.52,64.77) 74.52,65.11 74.52,65.49 arc(74.63,66.02) 74.93,66.47 75.03,66.57 arc(75.26,66.91) 75.34,67.31 arc(75.26,67.71) 75.03,68.05 74.9,68.17 arc(74.59,68.65) 74.47,69.22 74.47,69.83 arc(74.47,70.13) 74.45,70.43 74.3,72.39 74.49,74.59 arc(74.52,74.93) 74.52,75.27 74.52,75.65 arc(74.63,76.18) 74.93,76.63 75.03,76.73 arc(75.26,77.07) 75.34,77.47 arc(75.26,77.87) 75.03,78.21 74.9,78.33 arc(74.59,78.81) 74.47,79.38 74.47,79.99
~{P5}: length 82.7
  Bottom w0.178: 33.66,1.27 33.85,3.47 arc(33.88,3.81) 33.88,4.15 33.88,4.53 arc(33.99,5.06) 34.29,5.51 34.39,5.61 arc(34.62,5.95) 34.7,6.35 arc(34.62,6.75) 34.39,7.09 34.26,7.21 arc(33.95,7.69) 33.83,8.26 33.83,8.87 arc(33.83,9.17) 33.81,9.47 33.66,11.43 33.85,13.63 arc(33.88,13.97) 33.88,14.31 33.88,14.69 arc(33.99,15.22) 34.29,15.67 34.39,15.77 arc(34.62,16.11) 34.7,16.51 arc(34.62,16.91) 34.39,17.25 34.26,17.37 arc(33.95,17.85) 33.83,18.42 33.83,19.03 arc(33.83,19.33) 33.81,19.63 33.66,21.59 33.85,23.79 arc(33.88,24.13) 33.88,24.47 33.88,24.85 arc(33.99,25.38) 34.29,25.83 34.39,25.93 arc(34.62,26.27) 34.7,26.67 arc(34.62,27.07) 34.39,27.41 34.26,27.53 arc(33.95,28.01) 33.83,28.58 33.83,29.19 arc(33.83,29.49) 33.81,29.79 33.66,31.75 33.85,33.95 arc(33.88,34.29) 33.88,34.63 33.88,35.01 arc(33.99,35.54) 34.29,35.99 34.39,36.09 arc(34.62,36.43) 34.7,36.83 arc(34.62,37.23) 34.39,37.57 34.26,37.69 arc(33.95,38.17) 33.83,38.74 33.83,39.35 arc(33.83,39.65) 33.81,39.95 33.66,41.91 33.85,44.11 arc(33.88,44.45) 33.88,44.79 33.88,45.17 arc(33.99,45.7) 34.29,46.15 34.39,46.25 arc(34.62,46.59) 34.7,46.99 arc(34.62,47.39) 34.39,47.73 34.26,47.85 arc(33.95,48.33) 33.83,48.9 33.83,49.51 arc(33.83,49.81) 33.81,50.11 33.66,52.07 33.85,54.27 arc(33.88,54.61) 33.88,54.95 33.88,55.33 arc(33.99,55.86) 34.29,56.31 34.39,56.41 arc(34.62,56.75) 34.7,57.15 arc(34.62,57.55) 34.39,57.89 34.26,58.01 arc(33.95,58.49) 33.83,59.06 33.83,59.67 arc(33.83,59.97) 33.81,60.27 33.66,62.23 33.85,64.43 arc(33.88,64.77) 33.88,65.11 33.88,65.49 arc(33.99,66.02) 34.29,66.47 34.39,66.57 arc(34.62,66.91) 34.7,67.31 arc(34.62,67.71) 34.39,68.05 34.26,68.17 arc(33.95,68.65) 33.83,69.22 33.83,69.83 arc(33.83,70.13) 33.81,70.43 33.66,72.39 33.85,74.59 arc(33.88,74.93) 33.88,75.27 33.88,75.65 arc(33.99,76.18) 34.29,76.63 34.39,76.73 arc(34.62,77.07) 34.7,77.47 arc(34.62,77.87) 34.39,78.21 34.26,78.33 arc(33.95,78.81) 33.83,79.38 33.83,79.99